# Altium PCB Motor_Control_Board.PcbDoc (continued)
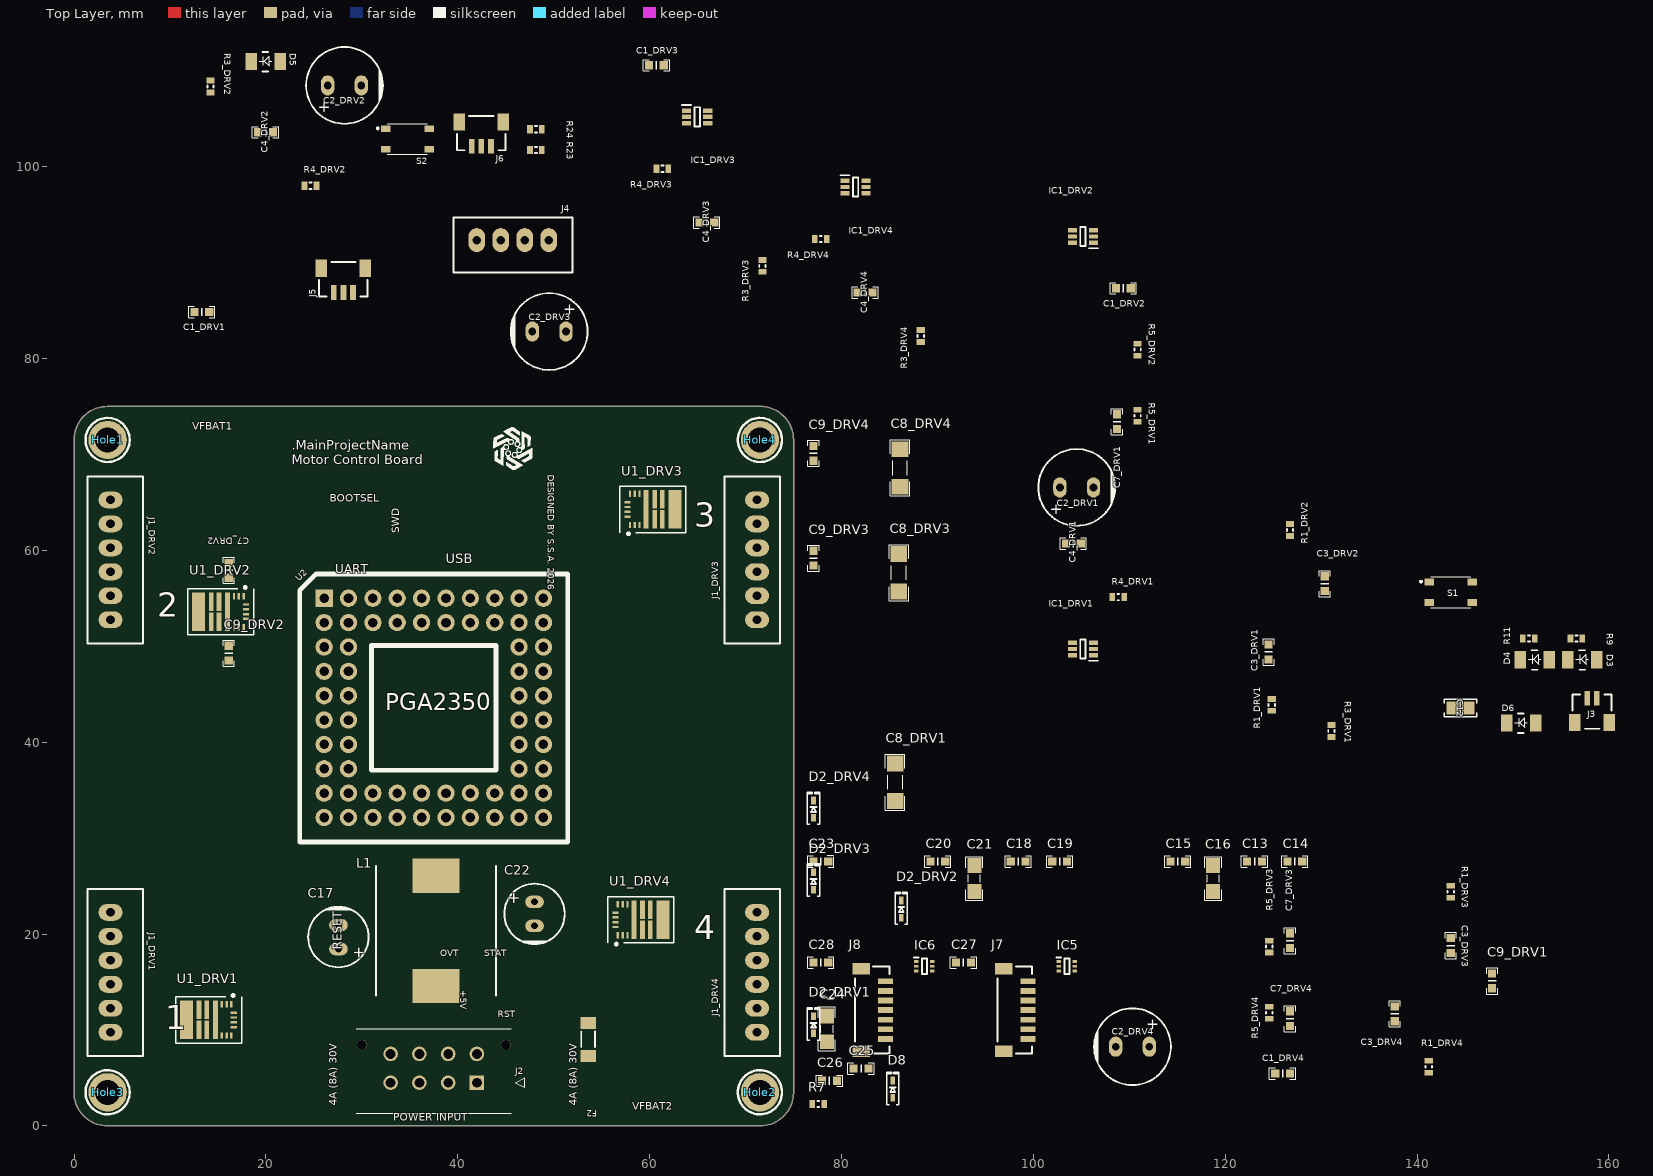
[diagram p0: Top Layer view]
## Footprints (in the part's own frame and the unit in brackets; to place one, negate y for a bottom-side part, rotate by r counter-clockwise, add the part's x,y. Pads: shape width x height; smd on the part's side, far side on the other; paste and mask are expansions set on the pad) (continued)
"SOD323 IPC" [mm] "SOD, 2-Leads, Body 1.25x2.50mm, IPC Medium Density"
  rect 0.625x0.83 smd: 1(-1.112,0) 2(1.112,0)
  silkscreen extent -1.78,-0.7 1.68,0.7, body extent -1.36,-0.62 1.36,0.63, height 1.05
SOD523F [mm] "SODFL, 2-Leads, Body 0.80x1.60mm, IPC Medium Density"
  rect 0.8x0.5 smd: 1(-0.9,0) 2(0.9,0)
  silkscreen extent -1.6,-0.64 1.8,0.64, body extent -0.8,-0.4 0.8,0.4, height 0.65
SOP65P210X110-6N [mm]
  rect 0.95x0.45 smd: 1(-1.1,0.65) 2(-1.1,0) 3(-1.1,-0.65) 4(1.1,-0.65) 5(1.1,0) 6(1.1,0.65)
  silkscreen extent -1.58,-1 0.28,1.22, body extent -1.05,-1 1.05,1, height 1.1
SOT95P237X112-3N [mm]
  rect 1.25x0.6 smd: 1(-1.05,0.95) 2(-1.05,-0.95) 3(1.05,0)
  silkscreen extent -1.68,-1.46 0.08,1.5, body extent -1.27,-1.46 1.27,1.46, height 1
SOT95P280X145-6N [mm]
  rect 1.2x0.6 smd: 1(-1.25,0.95) 2(-1.25,0) 3(-1.25,-0.95) 4(1.25,-0.95) 5(1.25,0) 6(1.25,0.95)
  silkscreen extent -1.85,-1.45 0.3,1.6, body extent -1.4,-1.45 1.4,1.45, height 1.2
SOTFL50P160X60-6N [mm]
  rect 0.47x0.3 smd: 1(-0.835,0.5) 2(-0.835,0) 3(-0.835,-0.5) 4(0.835,-0.5) 5(0.835,0) 6(0.835,0.5)
  silkscreen extent -1.07,-0.8 0.25,0.9, body extent -0.8,-0.8 0.8,0.8, height 0.6

## Part data
C1_DRV1 C1_DRV2 C1_DRV3 C1_DRV4: library part "Non-polar Capacitor", "Generic Ceramic Capacitor", Voltage=25V
C2_DRV1 C2_DRV2 C2_DRV3 C2_DRV4: library part UVR1C471MPD1TA, "CAP ALUM 470UF 20% 16V RADIAL", Device Package="Radial, Can", Lifetime @ Temp.="2000 Hrs @ 85°C", Manufacturer=Nichicon, Operating Temperature="-40°C ~ 85°C", Ripple Current @ High Frequency="660mA @ 10kHz", Ripple Current @ Low Frequency="440mA @ 120Hz", Supplier Part Number 1=UVR1C471MPD1TA-ND, Tolerance=±20%, Voltage - Rated=16V, Applications="General Purpose", Capacitance=470uF, ComponentLink1Description=Datasheet, ComponentLink1URL=http://nichicon-us.com/english/products/pdfs/e-uvr.pdf, ComponentLink2Description="DigiKey Link", ComponentLink2URL=http://digikey.com/product-detail/en/nichicon/UVR1C471MPD1TA/UVR1C471MPD1TA-ND/2428037, Height - Seated (Max)="0.453\" (11.50mm)", LastUpdated="9/7/2020 5:24:50 AM", Lead Spacing="0.138\" (3.50mm)", Lifecycle Status=Active, Minimum Order=1000, Mounting Type="Through Hole", Package / Case="Radial, Can", Packaging=TapeAndBox, Part Number=UVR1C471MPD1TA, Part Status=Active, PartId=23595, Polarization=Polar, Price=0.08, Series=UVR, Size / Dimension="0.315\" Dia (8.00mm)", Supplier 1=DigiKey
C3_DRV1 C3_DRV2 C3_DRV3 C3_DRV4 C4_DRV1 C4_DRV2 C4_DRV3 C4_DRV4 C5_DRV1 C5_DRV2 C5_DRV3 C5_DRV4 C6_DRV1 C6_DRV2 C6_DRV3 C6_DRV4 C10 C23 C24 C25 C26 C27 C28: library part "Non-polar Capacitor", "Generic Ceramic Capacitor", Voltage=6.3V
C7_DRV1 C7_DRV2 C7_DRV3 C7_DRV4 C8_DRV1 C8_DRV2 C8_DRV3 C8_DRV4 C9_DRV1 C9_DRV2 C9_DRV3 C9_DRV4: library part "Non-polar Capacitor", "Generic Ceramic Capacitor", Voltage=100V
C11 C13 C14 C15 C16 C18 C19 C20 C21: library part "Non-polar Capacitor", "Generic Ceramic Capacitor", Voltage=16V
C12: library part CL21A226MAYNNNE, "CAP CER 22UF 25V X5R 0805", Device Package="0805 (2012 Metric)", Manufacturer="Samsung Electro-Mechanics", Operating Temperature="-55°C ~ 85°C", Supplier Part Number 1=1276-CL21A226MAYNNNECT-ND, Temperature Coefficient=X5R, Tolerance=±20%, Voltage - Rated=25V, Applications="General Purpose", Capacitance="22 µF", ComponentLink1Description=Datasheet, ComponentLink1URL=https://media.digikey.com/pdf/Data%20Sheets/Samsung%20PDFs/CL21A226MAYNNNE_Spec.pdf, ComponentLink2Description="DigiKey Link", ComponentLink2URL=https://www.digikey.com/en/products/detail/samsung-electro-mechanics/CL21A226MAYNNNE/10479857, LastUpdated="2/9/2024 8:15:02 PM", Lifecycle Status=Active, Minimum Order=1, Mounting Type="Surface Mount, MLCC", Package / Case="0805 (2012 Metric)", Packaging=TapeAndReel, Part Number=CL21A226MAYNNNE, Part Status=Active, PartId=39209, Price=0.04, Series=CL, Size / Dimension="0.079\" L x 0.049\" W (2.00mm x 1.25mm)", Supplier 1=DigiKey, Thickness (Max)="0.057\" (1.45mm)"
C17 C22: library part 860020373008, "CAP ALUM 150UF 20% 16V RADIAL", Device Package="Radial, Can", Lifetime @ Temp.="2000 Hrs @ 105°C", Manufacturer="Würth Elektronik", Operating Temperature="-40°C ~ 105°C", Ripple Current @ High Frequency="234.6mA @ 100kHz", Ripple Current @ Low Frequency="170mA @ 120Hz", Supplier Part Number 1=732-8795-1-ND, Tolerance=±20%, Voltage - Rated=16V, Applications="General Purpose", Capacitance=150uF, ComponentLink1Description=Datasheet, ComponentLink1URL=https://katalog.we-online.de/pbs/datasheet/860020373008.pdf, ComponentLink2Description="DigiKey Link", ComponentLink2URL=http://digikey.com/product-detail/en/w-rth-elektronik/860020373008/732-8795-1-ND/5728740, Height - Seated (Max)="0.492\" (12.50mm)", LastUpdated="9/4/2020 1:05:50 AM", Lead Spacing="0.098\" (2.50mm)", Lifecycle Status=Active, Minimum Order=1, Mounting Type="Through Hole", Package / Case="Radial, Can", Packaging=TapeAndBox, Part Number=860020373008, Part Status=Active, PartId=21016, Polarization=Polar, Price=0.07, Series=WCAP-ATG5, Size / Dimension="0.248\" Dia (6.30mm)", Supplier 1=DigiKey
D1_DRV1 D1_DRV2 D1_DRV3 D1_DRV4: "TVS DIODE 13VWM 21.5VC SMB", Current - Peak Pulse (10/1000µs)=28A, Manufacturer="Bourns Inc.", Operating Temperature="-55°C ~ 150°C (TJ)", Package / Case="DO-214AA, SMB", Power - Peak Pulse=600W, Power Line Protection=No, Supplier Device Package="DO-214AA (SMB)", Supplier Part Number 1=SMBJ13ABCT-ND, Voltage - Breakdown (Min)=14.4V, Voltage - Clamping (Max) @ Ipp=21.5V, Voltage - Reverse Standoff (Typ)=13V, Applications="General Purpose", ComponentLink1Description=Datasheet, ComponentLink1URL=https://www.bourns.com/docs/Product-Datasheets/SMBJ.pdf, ComponentLink2Description="DigiKey Link", ComponentLink2URL=https://www.digikey.com/en/products/detail/bourns-inc/SMBJ13A/2254626, LastUpdated="6/3/2024 7:56:38 PM", Lifecycle Status=Active, Minimum Order=1, Mounting Type="Surface Mount", Packaging=TapeAndReel, Part Number=SMBJ13A, Part Status=Active, PartId=10876, Price=0.08, Series=SMBJ, Supplier 1=DigiKey, Type=Zener, Unidirectional Channels=1
D2_DRV1 D2_DRV2 D2_DRV3 D2_DRV4 D8: "TVS DIODE 3.3V 14.1V SOD523", Capacitance @ Frequency="105pF @ 1MHz", Current - Peak Pulse (10/1000µs)="11.2A (8/20µs)", Manufacturer="ON Semiconductor", Operating Temperature="-55°C ~ 150°C (TJ)", Package / Case="SC-79, SOD-523", Power - Peak Pulse=158W, Power Line Protection=No, Supplier Device Package=SOD-523, Supplier Part Number 1=ESD5Z3.3T1GOSCT-ND, Voltage - Breakdown (Min)=5V, Voltage - Clamping (Max) @ Ipp=14.1V, Voltage - Reverse Standoff (Typ)="3.3V (Max)", Applications="General Purpose", ComponentLink1Description=Datasheet, ComponentLink1URL=https://www.onsemi.com/pub/Collateral/ESD5Z2.5T1-D.PDF, ComponentLink2Description="DigiKey Link", ComponentLink2URL=http://digikey.com/product-detail/en/on-semiconductor/ESD5Z3.3T1G/ESD5Z3.3T1GOSCT-ND/1967044, LastUpdated="6/3/2024 8:22:18 PM", Lifecycle Status=Active, Minimum Order=1, Mounting Type="Surface Mount", Packaging=TapeAndReel, Part Number=ESD5Z3.3T1G, Part Status=Active, PartId=9754, Price=0.04, Series=-, Supplier 1=DigiKey, Type=Zener, Unidirectional Channels=1
D3: "Indicator LED", Color=Green
D4: "Indicator LED", Color=Amber
D5 D6: "Indicator LED", Color=Blue
D7: "DIODE STANDARD 75V 200MA SOD323", Capacitance @ Vr, F="2pF @ 0V, 1MHz", Current - Average Rectified (Io)=200mA, Current - Reverse Leakage @ Vr="5 nA @ 75 V", Manufacturer="Nexperia USA Inc.", Operating Temperature - Junction="150°C (Max)", Package / Case="SC-76, SOD-323", Supplier Device Package=SOD-323, Supplier Part Number 1=1727-4807-1-ND, Voltage - DC Reverse (Vr) (Max)="75 V", Voltage - Forward (Vf) (Max) @ If="1.25 V @ 150 mA", ComponentLink1Description=Datasheet, ComponentLink1URL=https://assets.nexperia.com/documents/data-sheet/BAS416.pdf, ComponentLink2Description="DigiKey Link", ComponentLink2URL=https://www.digikey.com/en/products/detail/nexperia-usa-inc/BAS416-115/1232094, Diode Type=Standard, LastUpdated="10/27/2025 1:55:14 PM", Lifecycle Status=Active, Minimum Order=1, Mounting Type="Surface Mount", Packaging=TapeAndReel, Part Number=BAS416,115, Part Status=Active, PartId=2951, Price=0.02, Reverse Recovery Time (trr)="3 µs", Series=-, Speed="Small Signal =< 200mA (Io), Any Speed", Supplier 1=DigiKey
F1: "FUSE BOARD MOUNT 1A 63VDC 1206", Breaking Capacity @ Rated Voltage=50A, Current Rating (Amps)=1A, Device Package="1206 (3216 Metric)", Manufacturer="Bourns Inc.", Operating Temperature="-40°C ~ 105°C", Supplier Part Number 1=SF-1206F100-2CT-ND, Voltage Rating - DC=63V, Approval Agency=UL, Approvals=UL, ComponentLink1Description=Datasheet, ComponentLink1URL=https://www.bourns.com/pdfs/SF1206F.pdf, ComponentLink2Description="DigiKey Link", ComponentLink2URL=http://digikey.com/product-detail/en/bourns-inc/SF-1206F100-2/SF-1206F100-2CT-ND/1948202, Fuse Type="Board Mount (Cartridge Style Excluded)", LastUpdated="9/2/2020 1:30:42 AM", Lifecycle Status=Active, Melting I²t=0.034, Minimum Order=1, Mounting Type="Surface Mount", Package / Case="1206 (3216 Metric)", Packaging=TapeAndReel, Part Number=SF-1206F100-2, Part Status=Active, Price=0.31, Response Time="Fast Blow", Series="SinglFuse™ SF-1206F", Size / Dimension="0.122\" L x 0.061\" W x 0.024\" H (3.10mm x 1.55mm x 0.60mm)", Supplier 1=DigiKey
F2: "FUSE BOARD MOUNT 10A 32VAC 63VDC", Breaking Capacity @ Rated Voltage=100A, Current Rating (Amps)=10A, Device Package="1206 (3216 Metric)", Manufacturer="Schurter Inc.", Operating Temperature="-55°C ~ 90°C", Supplier Part Number 1=486-1686-1-ND, Voltage Rating - AC=32V, Voltage Rating - DC=63V, Approval Agency=cURus, Approvals=cURus, ComponentLink1Description=Datasheet, ComponentLink1URL=https://us.schurter.com/pdf/english/typ_UST_1206.pdf, ComponentLink2Description="DigiKey Link", ComponentLink2URL=http://digikey.com/product-detail/en/schurter-inc/3413.0328.22/486-1686-1-ND/2870095, Fuse Type="Board Mount (Cartridge Style Excluded)", LastUpdated="9/2/2020 1:30:41 AM", Lifecycle Status=Active, Melting I²t=21, Minimum Order=1, Mounting Type="Surface Mount", Package / Case="1206 (3216 Metric)", Packaging=TapeAndReel, Part Number=3413.0328.22, Part Status=Active, Price=0.21, Response Time="Slow Blow", Series="UST 1206", Size / Dimension="0.126\" L x 0.063\" W x 0.024\" H (3.20mm x 1.60mm x 0.60mm)", Supplier 1=DigiKey
IC1_DRV1 IC1_DRV2 IC1_DRV3 IC1_DRV4: "Integrated Circuit", Manufacturer_Name="Texas Instruments", Mouser Part Number=595-SN74LVC2G17DCKR, Arrow Part Number=SN74LVC2G17DCKR, Arrow Price/Stock=https://www.arrow.com/en/products/sn74lvc2g17dckr/texas-instruments?utm_currency=USD&region=europe, Datasheet Link=http://www.ti.com/general/docs/suppproductinfo.tsp?distId=26&gotoUrl=http%3A%2F%2Fwww.ti.com%2Flit%2Fgpn%2Fsn74lvc2g17, Height=1.1mm, Manufacturer_Part_Number=SN74LVC2G17DCKR, Mouser Price/Stock=https://www.mouser.co.uk/ProductDetail/Texas-Instruments/SN74LVC2G17DCKR?qs=spW5eSrOWB6kZFcYtrLxUQ%3D%3D
IC2: "MOSFET P-CH 20V 4.3A SOT23", Current - Continuous Drain (Id) @ 25°C="4.3A (Ta)", Drain to Source Voltage (Vdss)="20 V", Drive Voltage (Max Rds On,  Min Rds On)="1.8V, 4.5V", Input Capacitance (Ciss) (Max) @ Vds="634 pF @ 10 V", Manufacturer="Diodes Incorporated", Operating Temperature="-55°C ~ 150°C (TJ)", Package / Case="TO-236-3, SC-59, SOT-23-3", Power Dissipation (Max)="800mW (Ta)", Supplier Device Package=SOT-23-3, Supplier Part Number 1=31-DMP2045UQ-7CT-ND, ComponentLink1Description=Datasheet, ComponentLink1URL=https://www.diodes.com/assets/Datasheets/DMP2045UQ.pdf, ComponentLink2Description="DigiKey Link", ComponentLink2URL=https://www.digikey.com/en/products/detail/diodes-incorporated/DMP2045UQ-7/10674156, FET Type=P-Channel, Gate Charge (Qg) (Max) @ Vgs="6.8 nC @ 4.5 V", LastUpdated="6/3/2024 8:15:19 PM", Lifecycle Status=Active, Minimum Order=1, Mounting Type="Surface Mount", Packaging=TapeAndReel, Part Number=DMP2045UQ-7, Part Status=Active, Price=0.08, Rds On (Max) @ Id, Vgs="45mOhm @ 4A, 4.5V", Series=-, Supplier 1=DigiKey, Technology="MOSFET (Metal Oxide)", Vgs (Max)=±8V, Vgs(th) (Max) @ Id="1V @ 250µA"
IC3: "Integrated Circuit", Manufacturer_Name="Texas Instruments", Mouser Part Number=595-TPS3808G50DBVR, Arrow Part Number=TPS3808G50DBVR, Arrow Price/Stock=https://www.arrow.com/en/products/tps3808g50dbvr/texas-instruments, Datasheet Link=http://www.ti.com/lit/gpn/tps3808, Height=1.45mm, Manufacturer_Part_Number=TPS3808G50DBVR, Mouser Price/Stock=https://www.mouser.co.uk/ProductDetail/Texas-Instruments/TPS3808G50DBVR?qs=zwk82MlA57bbRDSNjc0z1g%3D%3D
IC4: "Integrated Circuit", Manufacturer_Name="Texas Instruments", Mouser Part Number=595-LM4040A30IDBZR, Arrow Part Number=LM4040A30IDBZR, Arrow Price/Stock=https://www.arrow.com/en/products/lm4040a30idbzr/texas-instruments?region=nac, Datasheet Link=https://www.ti.com/lit/ds/symlink/lm4040.pdf?ts=1622708080852&ref_url=https%253A%252F%252Fwww.ti.com%252Fsitesearch%252Fdocs%252Funiversalsearch.tsp%253FlangPref%253Den-US%2526searchTerm%253DLM4040A30IDBZR%2526nr%253D15, Height=1.12mm, Manufacturer_Part_Number=LM4040A30IDBZR, Mouser Price/Stock=https://www.mouser.co.uk/ProductDetail/Texas-Instruments/LM4040A30IDBZR?qs=VBduBm9rCJQGyTICzc6%2FQg%3D%3D
IC5 IC6: "Integrated Circuit", Manufacturer_Name="Texas Instruments", Mouser Part Number=595-TMP112AIDRLR, Arrow Part Number=TMP112AIDRLR, Arrow Price/Stock=https://www.arrow.com/en/products/tmp112aidrlr/texas-instruments?utm_currency=USD&region=nac, Datasheet Link=http://www.ti.com/general/docs/suppproductinfo.tsp?distId=10&gotoUrl=http%3A%2F%2Fwww.ti.com%2Flit%2Fgpn%2Ftmp112, Height=0.6mm, Manufacturer_Part_Number=TMP112AIDRLR, Mouser Price/Stock=https://www.mouser.co.uk/ProductDetail/Texas-Instruments/TMP112AIDRLR?qs=62Z1lCHpKYghtK4%2FJn2ysA%3D%3D
J1_DRV1 J1_DRV2 J1_DRV3 J1_DRV4: "CONN HEADER VERT 6POS 2.5MM", Current Rating (Amps)=3A, Insulation Color=Natural, Manufacturer="JST Sales America Inc.", Material Flammability Rating="UL94 V-0", Operating Temperature="-25°C ~ 85°C", Supplier Part Number 1=455-2271-ND, Voltage Rating=250V, ComponentLink1Description=Datasheet, ComponentLink1URL=http://www.jst-mfg.com/product/pdf/eng/eXH.pdf, ComponentLink2Description="DigiKey Link", ComponentLink2URL=http://digikey.com/product-detail/en/jst-sales-america-inc/B6B-XH-A-LF-SN/455-2271-ND/1000381, Connector Type=Header, Contact Finish - Mating=Tin, Contact Finish - Post=Tin, Contact Length - Post="0.134\" (3.40mm)", Contact Material=Brass, Contact Shape=Square, Contact Type="Male Pin", Fastening Type="Detent Lock", Insulation Height="0.276\" (7.00mm)", Insulation Material="Polyamide (PA66), Nylon 6/6", LastUpdated="1/12/2020 11:46:58 PM", Lifecycle Status=Active, Minimum Order=1, Mounting Type="Through Hole", Number of Positions=6, Number of Positions Loaded=All, Number of Rows=1, Packaging=Bulk, Part Number=B6B-XH-A(LF)(SN), Part Status=Active, PartId=71, Pitch - Mating="0.098\" (2.50mm)", Price=0.27, Series=XH, Shrouding="Shrouded - 4 Wall", Style="Board to Cable/Wire", Supplier 1=DigiKey, System=Connector, Termination="Press-Fit, Solder"
J2: "Connector", Manufacturer_Name=Molex, Mouser Part Number=538-43045-0812, Arrow Part Number=43045-0812, Arrow Price/Stock=https://www.arrow.com/en/products/43045-0812/molex?region=nac, Datasheet Link=https://www.molex.com/pdm_docs/sd/430450612_sd.pdf, Height=9.91mm, Manufacturer_Part_Number=43045-0812, Mouser Price/Stock=https://www.mouser.co.uk/ProductDetail/Molex/43045-0812?qs=qjii0NTOo%252B4%252BsykjI9icjA%3D%3D, System=Connector
J3: "CONN HEADER SMD 2POS 1MM", Current Rating (Amps)=0.7A, Insulation Color=Natural, Manufacturer="JST Sales America Inc.", Material Flammability Rating="UL94 V-0", Operating Temperature="-25°C ~ 85°C", Supplier Part Number 1=455-1788-1-ND, Voltage Rating=50V, ComponentLink1Description=Datasheet, ComponentLink1URL=http://www.jst-mfg.com/product/pdf/eng/eSR.pdf, ComponentLink2Description="DigiKey Link", ComponentLink2URL=http://digikey.com/product-detail/en/jst-sales-america-inc/BM02B-SRSS-TB-LF-SN/455-1788-1-ND/926859, Connector Type=Header, Contact Finish - Mating=Tin, Contact Finish - Post=Tin, Contact Material="Copper Alloy", Contact Shape=Square, Contact Type="Male Pin", Fastening Type=Push-Pull, Features="Solder Retention", Insulation Height="0.167\" (4.25mm)", Insulation Material="Polyamide (PA), Nylon", LastUpdated="1/12/2020 10:11:04 PM", Lifecycle Status=Active, Minimum Order=1, Mounting Type="Surface Mount", Number of Positions=2, Number of Positions Loaded=All, Number of Rows=1, Packaging=TapeAndReel, Part Number=BM02B-SRSS-TB(LF)(SN), Part Status=Active, PartId=12, Pitch - Mating="0.039\" (1.00mm)", Price=0.22, Series=SR, Shrouding="Shrouded - 4 Wall", Style="Board to Cable/Wire", Supplier 1=DigiKey, Termination=Solder
J4: "CONN HEADER VERT 4POS 2.5MM", Current Rating (Amps)=3A, Insulation Color=Natural, Manufacturer="JST Sales America Inc.", Material Flammability Rating="UL94 V-0", Operating Temperature="-25°C ~ 85°C", Supplier Part Number 1=455-2249-ND, Voltage Rating=250V, ComponentLink1Description=Datasheet, ComponentLink1URL=http://www.jst-mfg.com/product/pdf/eng/eXH.pdf, ComponentLink2Description="DigiKey Link", ComponentLink2URL=http://digikey.com/product-detail/en/jst-sales-america-inc/B4B-XH-A-LF-SN/455-2249-ND/1651047, Connector Type=Header, Contact Finish - Mating=Tin, Contact Finish - Post=Tin, Contact Length - Post="0.134\" (3.40mm)", Contact Material=Brass, Contact Shape=Square, Contact Type="Male Pin", Fastening Type="Detent Lock", Insulation Height="0.276\" (7.00mm)", Insulation Material="Polyamide (PA66), Nylon 6/6", LastUpdated="1/12/2020 11:46:34 PM", Lifecycle Status=Active, Minimum Order=1, Mounting Type="Through Hole", Number of Positions=4, Number of Positions Loaded=All, Number of Rows=1, Packaging=Bulk, Part Number=B4B-XH-A(LF)(SN), Part Status=Active, PartId=69, Pitch - Mating="0.098\" (2.50mm)", Price=0.21, Series=XH, Shrouding="Shrouded - 4 Wall", Style="Board to Cable/Wire", Supplier 1=DigiKey, System=Connector, Termination="Press-Fit, Solder"
J5 J6: "CONN HEADER SMD 3POS 1MM", Current Rating (Amps)=0.7A, Insulation Color=Natural, Manufacturer="JST Sales America Inc.", Material Flammability Rating="UL94 V-0", Operating Temperature="-25°C ~ 85°C", Supplier Part Number 1=455-1789-1-ND, Voltage Rating=50V, ComponentLink1Description=Datasheet, ComponentLink1URL=http://www.jst-mfg.com/product/pdf/eng/eSR.pdf, ComponentLink2Description="DigiKey Link", ComponentLink2URL=http://digikey.com/product-detail/en/jst-sales-america-inc/BM03B-SRSS-TB-LF-SN/455-1789-1-ND/926860, Connector Type=Header, Contact Finish - Mating=Tin, Contact Finish - Post=Tin, Contact Material="Copper Alloy", Contact Shape=Square, Contact Type="Male Pin", Fastening Type=Push-Pull, Features="Solder Retention", Insulation Height="0.167\" (4.25mm)", Insulation Material="Polyamide (PA), Nylon", LastUpdated="1/12/2020 10:12:14 PM", Lifecycle Status=Active, Minimum Order=1, Mounting Type="Surface Mount", Number of Positions=3, Number of Positions Loaded=All, Number of Rows=1, Packaging=TapeAndReel, Part Number=BM03B-SRSS-TB(LF)(SN), Part Status=Active, PartId=14, Pitch - Mating="0.039\" (1.00mm)", Price=0.24, Series=SR, Shrouding="Shrouded - 4 Wall", Style="Board to Cable/Wire", Supplier 1=DigiKey, Termination=Solder
J7 J8: "CONN HEADER SMD 7POS 1MM", Current Rating (Amps)=0.7A, Insulation Color=Natural, Manufacturer="JST Sales America Inc.", Material Flammability Rating="UL94 V-0", Operating Temperature="-25°C ~ 85°C", Supplier Part Number 1=455-1793-1-ND, Voltage Rating=50V, ComponentLink1Description=Datasheet, ComponentLink1URL=http://www.jst-mfg.com/product/pdf/eng/eSH.pdf, ComponentLink2Description="DigiKey Link", ComponentLink2URL=http://digikey.com/product-detail/en/jst-sales-america-inc/BM07B-SRSS-TB-LF-SN/455-1793-1-ND/926864, Connector Type=Header, Contact Finish - Mating=Tin, Contact Finish - Post=Tin, Contact Material="Copper Alloy", Contact Shape=Square, Contact Type="Male Pin", Fastening Type=Push-Pull, Features="Solder Retention", Insulation Height="0.167\" (4.25mm)", Insulation Material="Polyamide (PA), Nylon", LastUpdated="1/12/2020 10:15:04 PM", Lifecycle Status=Active, Minimum Order=1, Mounting Type="Surface Mount", Number of Positions=7, Number of Positions Loaded=All, Number of Rows=1, Packaging=TapeAndReel, Part Number=BM07B-SRSS-TB(LF)(SN), Part Status=Active, PartId=22, Pitch - Mating="0.039\" (1.00mm)", Price=0.42, Series=SR, Shrouding="Shrouded - 4 Wall", Style="Board to Cable/Wire", Supplier 1=DigiKey, Termination=Solder
L1: "Inductor", Manufacturer_Name=YAGEO, Mouser Part Number=673-PA4343.222NLT, Arrow Part Number=PA4343.222NLT, Arrow Price/Stock=https://www.arrow.com/en/products/pa4343.222nlt/pulse-electronics-corporation, Datasheet Link=https://productfinder.pulseelectronics.com/api/open/part-attachments/datasheet/PA4343.222NLT, Height=6.5mm, Manufacturer_Part_Number=PA4343.222NLT, Mouser Price/Stock=https://www.mouser.co.uk/ProductDetail/Pulse-Electronics/PA4343222NLT?qs=%2FzQKu7YvIMbh7iiJmyUwAg%3D%3D
R1_DRV1 R1_DRV2 R1_DRV3 R1_DRV4 R2_DRV1 R2_DRV2 R2_DRV3 R2_DRV4 R4_DRV1 R4_DRV2 R4_DRV3 R4_DRV4 R5_DRV1 R5_DRV2 R5_DRV3 R5_DRV4 R6_DRV1 R6_DRV2 R6_DRV3 R6_DRV4 R7 R8 R9 R10 R11 R12 R13 R14 R15 R16 R17 R18 R19 R20 R21 R22 R23 R24: library part Resistor, "Resistor", Power=1/8W
R3_DRV1 R3_DRV2 R3_DRV3 R3_DRV4: library part Resistor, "Resistor", Power=N/A
S1 S2: "Switch", Arrow Part Number="PTS815 SJK 250 SMTR LFS", Manufacturer_Name="C & K COMPONENTS", Mouser Part Number=611-PTS815SJK250SMTR, Arrow Price/Stock=https://www.arrow.com/en/products/pts815-sjk-250-smtr-lfs/ck, Datasheet Link=https://www.mouser.com/datasheet/2/60/pts815-1535658.pdf, Height=2mm, Manufacturer_Part_Number="PTS815 SJK 250 SMTR LFS", Mouser Price/Stock=https://www.mouser.co.uk/ProductDetail/CK/PTS815-SJK-250-SMTR-LFS?qs=ahcBuItHZ3yETpGYMHf%2FgQ%3D%3D
U1_DRV1 U1_DRV2 U1_DRV3 U1_DRV4: "Automotive 40-V, 32-A H-Bridge driver with integrated current sensing and feedback 16-VQFN-HR -40 to 125", Manufacturer_Name="Texas Instruments", Copyright="Copyright (C) 2025 Ultra Librarian. All rights reserved.", Manufacturer_Part_Number=DRV8245SQRXZRQ1, RefDes=RefDes, Type=TYPE
U2: "RP2350B carrier module", Manufacturer="Pimoroni Ltd.", Supplier Part Number 1=1778-PIM722-ND, Part Number=PGA2350, Supplier 1=DigiKey

## Nets (pads, with @x,y where several pads share a name; then routed paths per layer and width w, separated by ;. In a path a pad name is that pad's centre, name@x,y a point inside that pad or via, vN(x,y) a via of type N, cw(c..) or ccw(c..) an arc to the next point about the centre after c; other vN are vias at no path point)
+3V3: C10.2 C24.2 C25.2 C27.2 C28.2 IC2.2 IC3.6 IC5.4 IC5.5 IC6.5 J7.7 J8.7 R7.1 R8.2 R14.2 R15.2 R16.2 R20.2 R21.2 R22.2 U2.39
+5V: C6_DRV1.2 C6_DRV2.2 C6_DRV3.2 C6_DRV4.2 C11.2 C12.2 F1.2 IC1_DRV1.5 IC1_DRV2.5 IC1_DRV3.5 IC1_DRV4.5 IC3.5 R2_DRV1.1 R2_DRV2.1 R2_DRV3.1 R2_DRV4.1 R3_DRV1.1 R3_DRV2.1 R3_DRV3.1 R3_DRV4.1 R6_DRV1.2 R6_DRV2.2 R6_DRV3.2 R6_DRV4.2 R13.1 U2.3
ADC_VREF: C26.1 IC4.1 R22.1 U2.40
BOOTSEL: S2.2 U2.8
DBG_UART_RX: J5.1 U2.2
DBG_UART_TX: J5.3 U2.38
DIR_DRV1: U1_DRV1.12 U2.27
DIR_DRV2: U1_DRV2.12 U2.64
DIR_DRV3: U1_DRV3.12 U2.59
DIR_DRV4: U1_DRV4.12 U2.21
DRV_FAULT: R7.2 U1_DRV1.1 U1_DRV2.1 U1_DRV3.1 U1_DRV4.1 U2.29
DRV_OUT1_DRV1: C8_DRV1.1 C9_DRV1.1 J1_DRV1.1 U1_DRV1.8 U1_DRV1.9
DRV_OUT1_DRV2: C8_DRV2.1 C9_DRV2.1 J1_DRV2.1 U1_DRV2.8 U1_DRV2.9
DRV_OUT1_DRV3: C8_DRV3.1 C9_DRV3.1 J1_DRV3.1 U1_DRV3.8 U1_DRV3.9
DRV_OUT1_DRV4: C8_DRV4.1 C9_DRV4.1 J1_DRV4.1 U1_DRV4.8 U1_DRV4.9
DRV_OUT2_DRV1: C7_DRV1.1 C8_DRV1.2 J1_DRV1.2 U1_DRV1.5 U1_DRV1.6
DRV_OUT2_DRV2: C7_DRV2.1 C8_DRV2.2 J1_DRV2.2 U1_DRV2.5 U1_DRV2.6
DRV_OUT2_DRV3: C7_DRV3.1 C8_DRV3.2 J1_DRV3.2 U1_DRV3.5 U1_DRV3.6
DRV_OUT2_DRV4: C7_DRV4.1 C8_DRV4.2 J1_DRV4.2 U1_DRV4.5 U1_DRV4.6
DRV_SLEEP: IC2.3 U1_DRV1.3 U1_DRV2.3 U1_DRV3.3 U1_DRV4.3
DRV_SLEEP_IO: R8.1 R10.2 U2.56
ENC_CHA_DRV1: IC1_DRV1.4 U2.32
ENC_CHA_DRV2: IC1_DRV2.4 U2.62
ENC_CHA_DRV3: IC1_DRV3.4 U2.15
ENC_CHA_DRV4: IC1_DRV4.4 U2.16
ENC_CHB_DRV1: IC1_DRV1.6 U2.61
ENC_CHB_DRV2: IC1_DRV2.6 U2.33
ENC_CHB_DRV3: IC1_DRV3.6 U2.48
ENC_CHB_DRV4: IC1_DRV4.6 U2.49
ENCA_BF_DRV1: J1_DRV1.5 R5_DRV1.1 R6_DRV1.1
ENCA_BF_DRV2: J1_DRV2.5 R5_DRV2.1 R6_DRV2.1
ENCA_BF_DRV3: J1_DRV3.5 R5_DRV3.1 R6_DRV3.1
ENCA_BF_DRV4: J1_DRV4.5 R5_DRV4.1 R6_DRV4.1
ENCB_BF_DRV1: J1_DRV1.6 R2_DRV1.2 R4_DRV1.1
ENCB_BF_DRV2: J1_DRV2.6 R2_DRV2.2 R4_DRV2.1
ENCB_BF_DRV3: J1_DRV3.6 R2_DRV3.2 R4_DRV3.1
ENCB_BF_DRV4: J1_DRV4.6 R2_DRV4.2 R4_DRV4.1
GND: C1_DRV1.1 C1_DRV2.1 C1_DRV3.1 C1_DRV4.1 C2_DRV1.2 C2_DRV2.2 C2_DRV3.2 C2_DRV4.2 C3_DRV1.1 C3_DRV2.1 C3_DRV3.1 C3_DRV4.1 C4_DRV1.2 C4_DRV2.2 C4_DRV3.2 C4_DRV4.2 C5_DRV1.2 C5_DRV2.2 C5_DRV3.2 C5_DRV4.2 C6_DRV1.1 C6_DRV2.1 C6_DRV3.1 C6_DRV4.1 C7_DRV1.2 C7_DRV2.2 C7_DRV3.2 C7_DRV4.2 C9_DRV1.2 C9_DRV2.2 C9_DRV3.2 C9_DRV4.2 C10.1 C11.1 C12.1 C13.2 C14.2 C15.2 C16.2 C17.2 C18.2 C19.2 C20.2 C21.2 C22.2 C23.1 C24.1 C25.1 C26.2 C27.1 C28.1 D1_DRV1.1 D1_DRV2.1 D1_DRV3.1 D1_DRV4.1 D2_DRV1.1 D2_DRV2.1 D2_DRV3.1 D2_DRV4.1 D3.2 D4.2 D5.2 D6.2 D8.1 IC1_DRV1.2 IC1_DRV2.2 IC1_DRV3.2 IC1_DRV4.2 IC3.2 IC4.2 IC4.3 IC5.2 IC5.3 IC6.2 IC6.3 IC6.4 J1_DRV1.3 J1_DRV2.3 J1_DRV3.3 J1_DRV4.3 J2.3 J2.4 J2.6 J2.7 J3.1 J4.1 J4.4 J5.2 J6.2 J7.1 J8.1 R1_DRV1.1 R1_DRV2.1 R1_DRV3.1 R1_DRV4.1 R18.2 S1.2 S2.1 U1_DRV1.7 U1_DRV1.10 U1_DRV2.7 U1_DRV2.10 U1_DRV3.7 U1_DRV3.10 U1_DRV4.7 U1_DRV4.10 U2.1 U2.10 U2.19 U2.28 U2.37 U2.44
I2C0.SCL: IC5.1 IC6.1 J7.3 J8.3 R21.1 U2.54
I2C0.SDA: IC5.6 IC6.6 J7.2 J8.2 R20.1 U2.23
IMU0_IO.BOOT: J7.6 U2.58
IMU0_IO.INT: J7.4 U2.57
IMU0_IO.RESET: J7.5 U2.30
IMU1_IO.BOOT: J8.6 U2.50
IMU1_IO.INT: J8.4 U2.34
IMU1_IO.RESET: J8.5 U2.17
IO_DRV1.PROPI: C3_DRV1.2 D2_DRV1.2 R1_DRV1.2 U1_DRV1.2 U2.46
IO_DRV1.PWM: U1_DRV1.11 U2.26
IO_DRV2.PROPI: C3_DRV2.2 D2_DRV2.2 R1_DRV2.2 U1_DRV2.2 U2.45
IO_DRV2.PWM: U1_DRV2.11 U2.35
IO_DRV3.PROPI: C3_DRV3.2 D2_DRV3.2 R1_DRV3.2 U1_DRV3.2 U2.13
IO_DRV3.PWM: U1_DRV3.11 U2.60
IO_DRV4.PROPI: C3_DRV4.2 D2_DRV4.2 R1_DRV4.2 U1_DRV4.2 U2.14
IO_DRV4.PWM: U1_DRV4.11 U2.20
MCU_SPI_IN.SCLK: U1_DRV1.14 U1_DRV2.14 U1_DRV3.14 U1_DRV4.14 U2.24
MCU_SPI_IN.SCS: U1_DRV1.13 U1_DRV2.13 U1_DRV3.13 U1_DRV4.13 U2.63
MCU_SPI_IN.SDIO: U1_DRV4.16 U2.25
MCU_SPI_OUT.SDIO: U1_DRV1.15 U2.55
NetC4_DRV1_1: C4_DRV1.1 IC1_DRV1.1 R4_DRV1.2
NetC4_DRV2_1: C4_DRV2.1 IC1_DRV2.1 R4_DRV2.2
NetC4_DRV3_1: C4_DRV3.1 IC1_DRV3.1 R4_DRV3.2
NetC4_DRV4_1: C4_DRV4.1 IC1_DRV4.1 R4_DRV4.2
NetC5_DRV1_1: C5_DRV1.1 IC1_DRV1.3 R5_DRV1.2
NetC5_DRV2_1: C5_DRV2.1 IC1_DRV2.3 R5_DRV2.2
NetC5_DRV3_1: C5_DRV3.1 IC1_DRV3.3 R5_DRV3.2
NetC5_DRV4_1: C5_DRV4.1 IC1_DRV4.3 R5_DRV4.2
NetC13_1: C13.1 C14.1 C15.1 C16.1 C17.1 F2.1 L1.2
NetC23_2: C23.2 D8.2 R19.2 U2.12
NetD3_1: D3.1 R9.1
NetD4_1: D4.1 R11.1
NetD5_1: D5.1 R12.2
NetD6_1: D6.1 R13.2
NetD7_1: D7.1 J3.2
NetD7_2: D7.2 IC3.3 R16.1 S1.1
NetF1_1: F1.1 J2.8
NetF2_2: F2.2 J2.1 J2.2 J2.5
NetIC2_1: IC2.1 R10.1
NetIC3_1: IC3.1 R14.1 U2.5
NetIC3_4: IC3.4 R15.1
NetJ1_DRV1_4: J1_DRV1.4 R3_DRV1.2
NetJ1_DRV2_4: J1_DRV2.4 R3_DRV2.2
NetJ1_DRV3_4: J1_DRV3.4 R3_DRV3.2
NetJ1_DRV4_4: J1_DRV4.4 R3_DRV4.2
NetJ6_1: J6.1 R23.2
NetJ6_3: J6.3 R24.2
NetR17_2: R17.2 R18.1 R19.1
OVT_LED: R11.2 U2.53
SDI_DRV2: U1_DRV1.16 U1_DRV2.15
SDI_DRV3: U1_DRV2.16 U1_DRV3.15
SDI_DRV4: U1_DRV3.16 U1_DRV4.15
SWD_CLK: R23.1 U2.41
SWD_IO: R24.1 U2.42
SYSOK_LED: R9.2 U2.22
USB_DIFF_N: J4.3 U2.7
USB_DIFF_P: J4.2 U2.6
VMOT: C1_DRV1.2 C1_DRV2.2 C1_DRV3.2 C1_DRV4.2 C2_DRV1.1 C2_DRV2.1 C2_DRV3.1 C2_DRV4.1 C18.1 C19.1 C20.1 C21.1 C22.1 D1_DRV1.2 D1_DRV2.2 D1_DRV3.2 D1_DRV4.2 L1.1 R12.1 R17.1 U1_DRV1.4 U1_DRV2.4 U1_DRV3.4 U1_DRV4.4
pads on no net: Hole1.1 Hole2.1 Hole3.1 Hole4.1 J2.9 J2.10 J3.M J5.M J6.M J7.M J8.M U2.4 U2.9 U2.11 U2.18 U2.31 U2.36 U2.43 U2.47 U2.51 U2.52

## Polygon pours and split planes (outlines as drawn)
GND on Top Layer "NONET_L01_P000" (solid, remove dead copper, shelved, pour order 0): 0,3.479 0,71.521 cw(c3.479,71.521) 3.479,75 71.521,75 cw(c71.521,71.521) 75,71.521 75,3.479 cw(c71.521,3.479) 71.521,0 3.479,0 cw(c3.479,3.479)
GND on Bottom Layer "NONET_L02_P001" (solid, remove dead copper, shelved, pour order 1): 0,3.479 0,71.521 cw(c3.479,71.521) 3.479,75 71.521,75 cw(c71.521,71.521) 75,71.521 75,3.479 cw(c71.521,3.479) 71.521,0 3.479,0 cw(c3.479,3.479)

## Silkscreen, mask and mechanical layers (free items; w line width, h text height)
Top Overlay:
  drawing of 6 lines, arcs and shapes, not listed
  text "VFBAT1" at 12.345,72.55 h0.8
  text ".MainProjectName / Motor Control Board" at 22.685,68.961 h1
  text "DESIGNED BY S.S.A. 2026" at 49.403,67.857 h0.7 r270
  text "BOOTSEL" at 26.646,65.057 h0.8
  text "3" at 64.642,62.449 h2.5
  text "SWD" at 33.876,61.799 h0.8 r90
  text "USB" at 38.741,58.647 h1
  text "UART" at 27.247,57.581 h0.9
  text "2" at 8.692,53.052 h2.5
  text "4" at 64.642,19.449 h2.5
  text "RESET" at 27.887,18.348 h0.9 r90
  text "OVT" at 38.183,17.676 h0.7
  text "STAT" at 42.786,17.676 h0.7
  text "+5V" at 40.282,14.141 h0.7 r270
  text "RST" at 44.152,11.326 h0.7
  text "1" at 9.489,10.052 h2.5
  text "4A (8A) 30V" at 27.386,2.121 h0.8 r90
  text "4A (8A) 30V" at 52.386,2.121 h0.8 r90
  text "VFBAT2" at 58.186,1.684 h0.8
  text "POWER INPUT" at 33.266,0.541 h0.8
Bottom Overlay:
  text "Designed by: / Samyar Sadat Akhavi" at 45.085,67.818 h1.2
  text "github.com/samyarsadat/ROS-Robot-Hardware" at 8.255,51.765 h0.8 r90
  text "Finalized: / .ModifiedDate" at 72.898,35.826 h0.8 r90
  text "0.5A (1A)" at 34.394,15.369 h0.7
  text "VCS Commit:" at 27.173,3.452 h0.8
  text ".VersionControl_RevNumberShort" at 27.155,2.019 h0.8
Mechanical 1:
  the board outline again, w0.254

## Text inside footprints (layer, text, board x,y; h text height)
C2_DRV1: Top Overlay "+" at 103.071,65.148 h2 r180
C2_DRV2: Top Overlay "+" at 26.744,107.058 h2 r180
C2_DRV3: Top Overlay "+" at 50.98,84.204 h2
C2_DRV4: Top Overlay "+" at 111.785,9.655 h2
C17: Top Overlay "+" at 28.809,18.735 h2 r270
C22: Top Overlay "+" at 46.756,23.048 h2 r90